# Altium PCB Archimajor.PcbDoc (part 9 of 13)
Units mil, origin at the board's own origin, x right, y up, seen from the top; angles counter-clockwise.
Board outline 7480.32 x 5511.81 mil, 6 copper layers (Top Layer, Top GND, Power Plane, Mid1, Bot GND, Bottom Layer), stack 69.913 mil thick; 1038 components, 682 nets, 3229 pads, 2870 vias.
Unrouted connection lines stored in the file: 97.
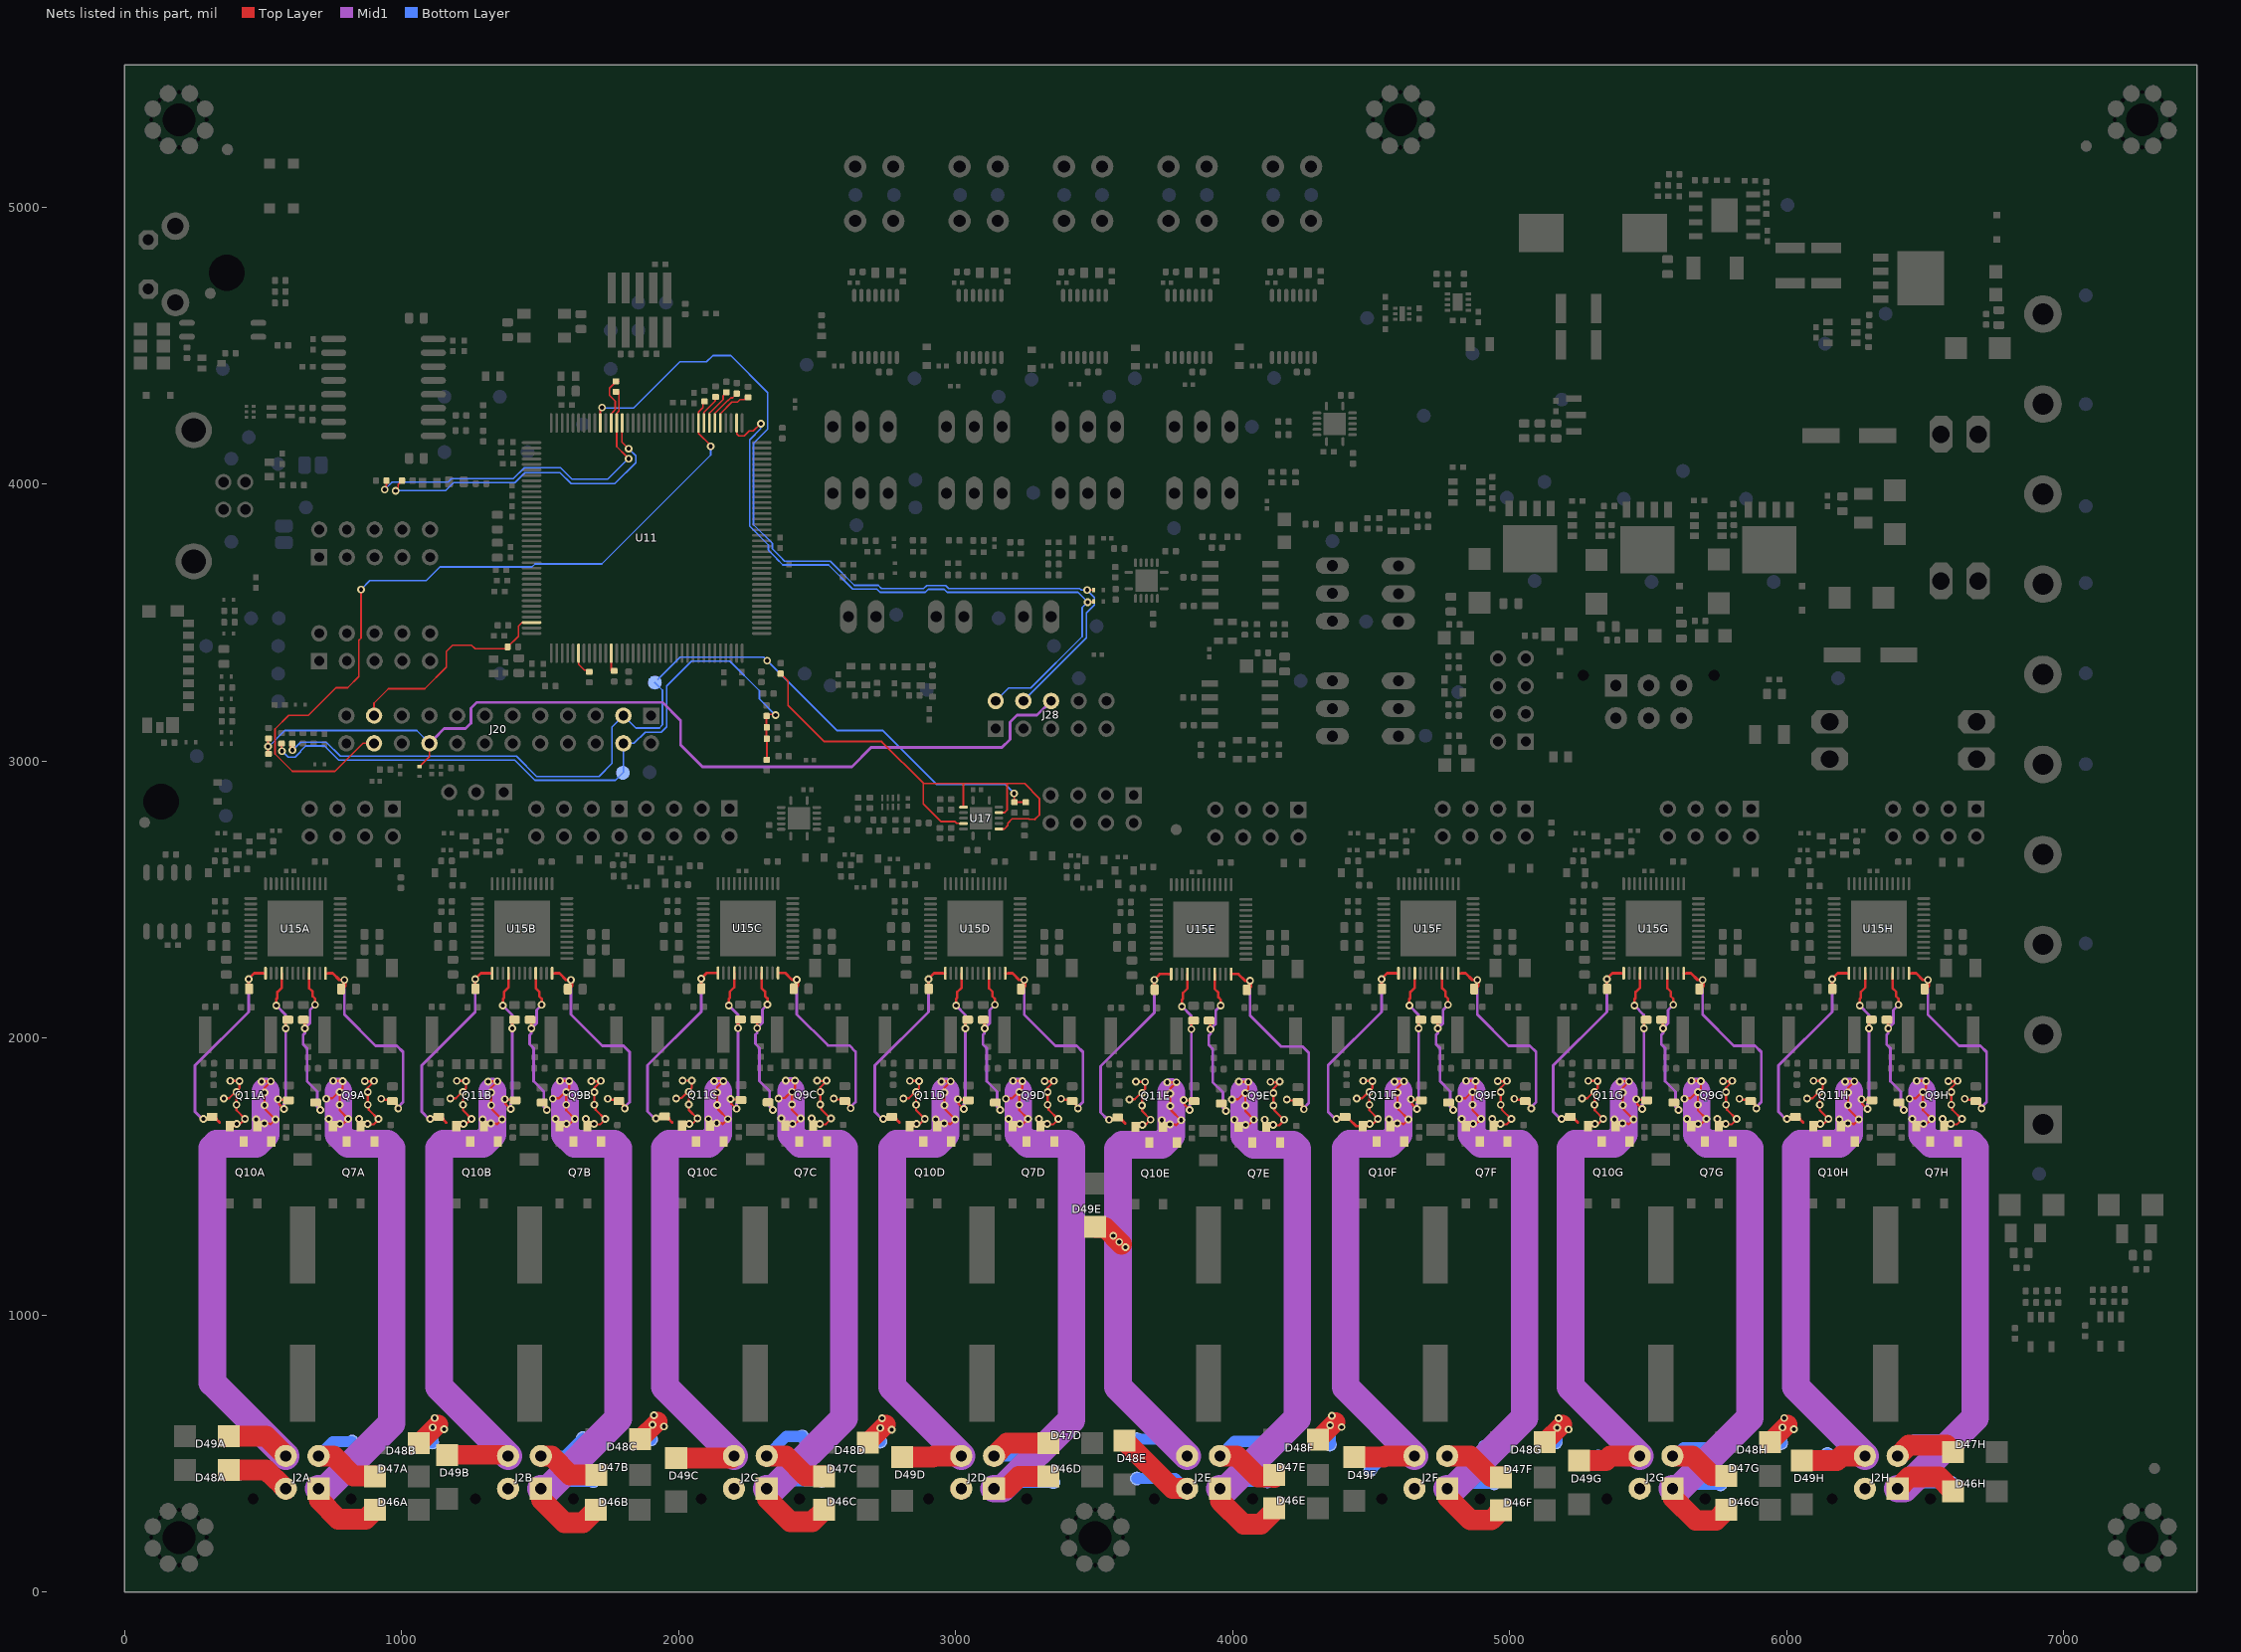
[diagram p13: the nets of this part, all layers, seen from the top]

## Via types
v1: diameter 28, hole 15, Top Layer to Bottom Layer, tented both sides, 2412 vias
v2: diameter 22, hole 10, Top Layer to Bottom Layer, 302 vias
v3: diameter 28, hole 15, Top Layer to Bottom Layer, 113 vias
v4: diameter 29, hole 15, Top Layer to Bottom Layer, tented both sides, 16 vias
v5: diameter 30, hole 15, Top Layer to Bottom Layer, 16 vias
v6: diameter 22, hole 10, Top Layer to Bottom Layer, tented both sides, 11 vias

## Nets (pads, with @x,y where several pads share a name; then routed paths per layer and width w, separated by ;. In a path a pad name is that pad's centre, name@x,y a point inside that pad or via, vN(x,y) a via of type N, cw(c..) or ccw(c..) an arc to the next point about the centre after c; other vN are vias at no path point) (continued)
NRST: D71.C J20.18 J28.6 R145.2 R149.1 | length 3397.5
  Top Layer w6: R149.1@522,3026.43 518.19,3030.24 v1(518.19,3052.21) 520.69,3052.21 518.19,3054.71 518.19,3077.72 R145.2@522,3081.53 ; D71.C@1062.99,2979.72 D71.C@1064.96,2979.72 1066.93,2979.72 1069.83,2982.63 1069.83,2984.6 1101,3015.76 J20.18@1101,3063.53
  Mid1 w10: J20.18@1102.18,3079.55 1117.03,3079.55 1154.01,3116.53 1231.44,3116.53 1251,3136.09 1251,3190.62 1271.82,3211.43 1942.2,3211.43 2007.59,3146.04 2007.59,3057.46 2086.33,2978.72 2625.37,2978.72 2695.25,3048.6 3167.04,3048.6 3196.57,3078.13 3196.57,3140.13 3222.16,3165.72 3294.1,3165.72 J28.6@3344.76,3216.39
  Bottom Layer w6: v1@522,3052.53 579,3109.53 1055,3109.53 J20.18@1101,3063.53
OAAA: C99A.2 C123A.2 D49A.K J2A.4 Q10A.1 Q11A.7 TP41A.1 U15A.40 | length 2958.3
  Top Layer w8: v1(474.95,1706.22) 493.34,1687.84 504.16,1687.84 504.92,1688.59 v1(504.92,1691.34) ; Q11A.7@480.02,1682.1 489.25,1691.34 v1(504.92,1691.34) ; v1(495.12,1842.85) 495.3,1843.03 v1(528.58,1843.03) 505.94,1820.39 v1(505.94,1802.5) v1(505.94,1757.22) 509.77,1753.39 509.77,1741.28 v1(544.83,1706.22) 526.13,1687.52 522.32,1691.34 v1(504.92,1691.34) ; v1(554.52,1778.87) v1@556.58,1776.82 ; v1(576,1743.53) 557.61,1761.91 557.61,1775.78 v1@556.58,1776.82 ; C123A.2@592,1774.76 589.94,1776.82 v1@556.58,1776.82
  Top Layer w9: v1@549.86,2118.08 v1(548.31,2116.53) 548.31,2140.84 552,2144.53 552,2165.7 568.2,2181.91 U15A.40@568.2,2233.68
  Top Layer w10: v1(582,2034.53) 582,2057.71 C99A.2@590.05,2065.76
  Top Layer w75: D49A.K@375.92,562.37 510.9,562.37 J2A.4@582.33,490.94
  Mid1 w10: v1@542.53,2122.31 v1(548.31,2116.53) 582,2082.84 v1(582,2034.53) 582,1768.53 576,1762.53 v1(576,1743.53)
  Mid1 w100: v1@509.88,1807.48 509.88,1651.97 475.43,1617.52 332.72,1617.52 317.95,1602.76 317.95,755.31 J2A.4@582.33,490.94
  Bottom Layer w40: TP41A.1@457.86,617.76 582.33,493.29 J2A.4@582.33,490.94
OAAB: C99B.2 C123B.2 D49B.K J2B.4 Q10B.1 Q11B.7 TP41B.1 U15B.40 | length 2872.1
  Top Layer w8: v1(1292.87,1706.22) 1311.25,1687.84 1322.08,1687.84 1322.83,1688.59 v1(1322.83,1691.34) ; Q11B.7@1297.93,1682.1 1307.17,1691.34 v1(1322.83,1691.34) ; v1(1313.03,1842.85) 1313.21,1843.03 v1(1346.5,1843.03) 1323.86,1820.39 v1(1323.86,1802.5) v1(1323.86,1757.22) 1327.68,1753.39 1327.68,1741.28 v1(1362.75,1706.22) 1344.05,1687.52 1340.23,1691.34 v1(1322.83,1691.34) ; v1(1372.44,1778.87) v1@1374.5,1776.82 ; v1(1393.91,1743.53) 1375.53,1761.91 1375.53,1775.78 v1@1374.5,1776.82 ; C123B.2@1409.91,1774.76 1407.85,1776.82 v1@1374.5,1776.82
  Top Layer w9: v1@1367.78,2118.08 v1(1366.22,2116.53) 1366.22,2140.84 1369.91,2144.53 1369.91,2165.7 1386.12,2181.91 U15B.40@1386.12,2233.68
  Top Layer w10: v1(1399.91,2034.53) 1399.91,2057.71 C99B.2@1407.97,2065.76
  Top Layer w70: D49B.K@1165.32,494.48 1378.61,494.48 1382.15,490.94 J2B.4@1384.86,490.94
  Mid1 w10: v1@1360.44,2122.31 v1(1366.22,2116.53) 1399.91,2082.84 v1(1399.91,2034.53) 1399.91,1768.53 1393.91,1762.53 v1(1393.91,1743.53)
  Mid1 w100: v1@1327.8,1807.48 1327.8,1651.97 1293.35,1617.52 1150.63,1617.52 1135.87,1602.76 1135.87,739.93 J2B.4@1384.86,490.94
  Bottom Layer w40: TP41B.1@1271.4,490.62 1384.54,490.62 J2B.4@1384.86,490.94
OAAC: C99C.2 C123C.2 D49C.K J2C.4 Q10C.1 Q11C.7 TP41C.1 U15C.40 | length 2895.9
  Top Layer w8: v1(2108.14,1707.18) 2126.52,1688.8 2137.35,1688.8 2138.11,1689.55 v1(2138.11,1692.3) ; Q11C.7@2113.2,1683.06 2122.44,1692.3 v1(2138.11,1692.3) ; v1(2128.3,1843.81) 2128.48,1843.99 v1(2161.77,1843.99) 2139.13,1821.35 v1(2139.13,1803.46) v1(2139.13,1758.18) 2142.96,1754.35 2142.96,1742.24 v1(2178.02,1707.18) 2159.32,1688.48 2155.5,1692.3 v1(2138.11,1692.3) ; v1(2187.71,1779.83) v1@2189.77,1777.77 ; v1(2209.18,1744.49) 2190.8,1762.87 2190.8,1776.74 v1@2189.77,1777.77 ; C123C.2@2225.18,1775.72 2223.12,1777.77 v1@2189.77,1777.77
  Top Layer w9: v1@2183.05,2119.04 v1(2181.49,2117.49) 2181.49,2141.8 2185.18,2145.49 2185.18,2166.66 2201.39,2182.87 U15C.40@2201.39,2234.64
  Top Layer w10: v1(2215.18,2035.49) 2215.18,2058.67 C99C.2@2223.24,2066.72
  Top Layer w75: D49C.K@1991.34,484.09 2191.93,484.09 2198.78,490.94 J2C.4@2200.13,490.94
  Mid1 w10: v1@2175.71,2123.27 v1(2181.49,2117.49) 2215.18,2083.8 v1(2215.18,2035.49) 2215.18,1769.49 2209.18,1763.49 v1(2209.18,1744.49)
  Mid1 w100: v1@2143.07,1808.44 2143.07,1652.93 2108.62,1618.48 1965.9,1618.48 1951.14,1603.72 1951.14,739.93 J2C.4@2200.13,490.94
  Bottom Layer w40: TP41C.1@2056.08,486.72 2195.91,486.72 J2C.4@2200.13,490.94
OAAD: C99D.2 C123D.2 D49D.K J2D.4 Q10D.1 Q11D.7 TP41D.1 U15D.40 | length 2870.2
  Top Layer w8: v1(2928.69,1706.22) 2947.08,1687.84 2957.9,1687.84 2958.66,1688.59 v1(2958.66,1691.34) ; Q11D.7@2933.76,1682.1 2942.99,1691.34 v1(2958.66,1691.34) ; v1(2948.86,1842.85) 2949.04,1843.03 v1(2982.32,1843.03) 2959.68,1820.39 v1(2959.68,1802.5) v1(2959.68,1757.22) 2963.51,1753.39 2963.51,1741.28 v1(2998.57,1706.22) 2979.87,1687.52 2976.06,1691.34 v1(2958.66,1691.34) ; v1(3008.26,1778.87) v1@3010.32,1776.82 ; v1(3029.74,1743.53) 3011.36,1761.91 3011.36,1775.78 v1@3010.32,1776.82 ; C123D.2@3045.74,1774.76 3043.68,1776.82 v1@3010.32,1776.82
  Top Layer w9: v1@3003.6,2118.08 v1(3002.05,2116.53) 3002.05,2140.84 3005.74,2144.53 3005.74,2165.7 3021.94,2181.91 U15D.40@3021.94,2233.68
  Top Layer w10: v1(3035.74,2034.53) 3035.74,2057.71 C99D.2@3043.8,2065.76
  Top Layer w75: D49D.K@2808,487.21 2918.15,487.21 2921.88,490.94 J2D.4@3020.68,490.94
  Mid1 w10: v1@2996.27,2122.31 v1(3002.05,2116.53) 3035.74,2082.84 v1(3035.74,2034.53) 3035.74,1768.53 3029.74,1762.53 v1(3029.74,1743.53)
  Mid1 w100: v1@2963.62,1807.48 2963.62,1651.97 2929.17,1617.52 2786.46,1617.52 2771.69,1602.76 2771.69,739.93 J2D.4@3020.68,490.94
  Bottom Layer w40: TP41D.1@2902.38,491.4 3020.22,491.4 J2D.4@3020.68,490.94
OAAE: C99E.2 C123E.2 D49E.K J2E.4 Q10E.1 Q11E.7 TP41E.1 U15E.40 | length 2861.2
  Top Layer w8: v1(3743.96,1703.24) 3762.35,1684.86 3773.18,1684.86 3773.93,1685.62 v1(3773.93,1688.36) ; Q11E.7@3749.03,1679.13 3758.26,1688.36 v1(3773.93,1688.36) ; v1(3764.13,1839.87) 3764.31,1840.06 v1(3797.59,1840.06) 3774.96,1817.42 v1(3774.96,1799.52) v1(3774.96,1754.24) 3778.78,1750.42 3778.78,1738.31 v1(3813.85,1703.24) 3795.14,1684.54 3791.33,1688.36 v1(3773.93,1688.36) ; v1(3823.53,1775.9) v1@3825.59,1773.84 ; v1(3845.01,1740.55) 3826.63,1758.94 3826.63,1772.81 v1@3825.59,1773.84 ; C123E.2@3861.01,1771.78 3858.95,1773.84 v1@3825.59,1773.84
  Top Layer w9: v1@3818.87,2115.1 v1(3817.32,2113.55) 3817.32,2137.86 3821.01,2141.55 3821.01,2162.73 3837.22,2178.93 U15E.40@3837.22,2230.7
  Top Layer w10: v1(3851.01,2031.55) 3851.01,2054.73 C99E.2@3859.07,2062.79
  Top Layer w75: D49E.K@3504.54,1317.46 3506.54,1315.46 3539.26,1315.46 v1@3598.92,1255.8
  Mid1 w10: v1@3811.54,2119.33 v1(3817.32,2113.55) 3851.01,2079.86 v1(3851.01,2031.55) 3851.01,1765.55 3845.01,1759.55 v1(3845.01,1740.55)
  Mid1 w100: v1@3778.89,1804.5 3778.89,1648.99 3744.44,1614.54 3601.73,1614.54 3586.96,1599.78 3586.96,739.93 J2E.4@3835.96,490.94
  Bottom Layer w40: TP41E.1@3654.3,551.46 3775.43,551.46 J2E.4@3835.96,490.94
  other v1: 3612.96,1244.88 3591.12,1263.6 3569.09,1285.63
OAAF: C99F.2 C123F.2 D49F.K J2F.4 Q10F.1 Q11F.7 TP41F.1 U15F.40 | length 2937.6
  Top Layer w8: v1(4564.52,1706.22) 4582.9,1687.84 4593.73,1687.84 4594.49,1688.59 v1(4594.49,1691.34) ; Q11F.7@4569.58,1682.1 4578.82,1691.34 v1(4594.49,1691.34) ; v1(4584.68,1842.85) 4584.87,1843.03 v1(4618.15,1843.03) 4595.51,1820.39 v1(4595.51,1802.5) v1(4595.51,1757.22) 4599.34,1753.39 4599.34,1741.28 v1(4634.4,1706.22) 4615.7,1687.52 4611.88,1691.34 v1(4594.49,1691.34) ; v1(4644.09,1778.87) v1@4646.15,1776.82 ; v1(4665.57,1743.53) 4647.18,1761.91 4647.18,1775.78 v1@4646.15,1776.82 ; C123F.2@4681.57,1774.76 4679.51,1776.82 v1@4646.15,1776.82
  Top Layer w9: v1@4639.43,2118.08 v1(4637.88,2116.53) 4637.88,2140.84 4641.57,2144.53 4641.57,2165.7 4657.77,2181.91 U15F.40@4657.77,2233.68
  Top Layer w10: v1(4671.57,2034.53) 4671.57,2057.71 C99F.2@4679.62,2065.76
  Top Layer w75: D49F.K@4439.76,486.67 4545.79,486.67 4550.06,490.94 J2F.4@4656.51,490.94
  Mid1 w10: v1@4632.09,2122.31 v1(4637.88,2116.53) 4671.57,2082.84 v1(4671.57,2034.53) 4671.57,1768.53 4665.57,1762.53 v1(4665.57,1743.53)
  Mid1 w100: v1@4599.45,1807.48 4599.45,1651.97 4565,1617.52 4422.28,1617.52 4407.52,1602.76 4407.52,739.93 J2F.4@4656.51,490.94
  Bottom Layer w40: TP41F.1@4496.7,438.36 4549.28,490.94 J2F.4@4656.51,490.94
OAAG: C99G.2 C123G.2 D49G.K J2G.4 Q10G.1 Q11G.7 TP41G.1 U15G.40 | length 2914.5
  Top Layer w8: v1(5377.52,1706.22) 5395.9,1687.84 5406.73,1687.84 5407.49,1688.59 v1(5407.49,1691.34) ; Q11G.7@5382.58,1682.1 5391.82,1691.34 v1(5407.49,1691.34) ; v1(5397.68,1842.85) 5397.87,1843.03 v1(5431.15,1843.03) 5408.51,1820.39 v1(5408.51,1802.5) v1(5408.51,1757.22) 5412.34,1753.39 5412.34,1741.28 v1(5447.4,1706.22) 5428.7,1687.52 5424.88,1691.34 v1(5407.49,1691.34) ; v1(5457.09,1778.87) v1@5459.15,1776.82 ; v1(5478.57,1743.53) 5460.18,1761.91 5460.18,1775.78 v1@5459.15,1776.82 ; C123G.2@5494.57,1774.76 5492.51,1776.82 v1@5459.15,1776.82
  Top Layer w9: v1@5452.43,2118.08 v1(5450.88,2116.53) 5450.88,2140.84 5454.57,2144.53 5454.57,2165.7 5470.77,2181.91 U15G.40@5470.77,2233.68
  Top Layer w10: v1(5484.57,2034.53) 5484.57,2057.71 C99G.2@5492.62,2065.76
  Top Layer w75: D49G.K@5250.18,474.2 5346.86,474.2 5363.6,490.94 J2G.4@5469.51,490.94
  Mid1 w10: v1@5445.09,2122.31 v1(5450.88,2116.53) 5484.57,2082.84 v1(5484.57,2034.53) 5484.57,1768.53 5478.57,1762.53 v1(5478.57,1743.53)
  Mid1 w100: v1@5412.45,1807.48 5412.45,1651.97 5378,1617.52 5235.28,1617.52 5220.52,1602.76 5220.52,739.93 J2G.4@5469.51,490.94
  Bottom Layer w40: TP41G.1@5319.6,489.06 5467.63,489.06 J2G.4@5469.51,490.94
OAAH: C99H.2 C123H.2 D49H.K J2H.4 Q10H.1 Q11H.7 TP41H.1 U15H.40 | length 2910.7
  Top Layer w8: v1(6190.52,1706.22) 6208.9,1687.84 6219.73,1687.84 6220.49,1688.59 v1(6220.49,1691.34) ; Q11H.7@6195.58,1682.1 6204.82,1691.34 v1(6220.49,1691.34) ; v1(6210.68,1842.85) 6210.87,1843.03 v1(6244.15,1843.03) 6221.51,1820.39 v1(6221.51,1802.5) v1(6221.51,1757.22) 6225.34,1753.39 6225.34,1741.28 v1(6260.4,1706.22) 6241.7,1687.52 6237.88,1691.34 v1(6220.49,1691.34) ; v1(6270.09,1778.87) v1@6272.15,1776.82 ; v1(6291.57,1743.53) 6273.18,1761.91 6273.18,1775.78 v1@6272.15,1776.82 ; C123H.2@6307.57,1774.76 6305.51,1776.82 v1@6272.15,1776.82
  Top Layer w9: v1@6265.43,2118.08 v1(6263.88,2116.53) 6263.88,2140.84 6267.57,2144.53 6267.57,2165.7 6283.77,2181.91 U15H.40@6283.77,2233.68
  Top Layer w10: v1(6297.57,2034.53) 6297.57,2057.71 C99H.2@6305.62,2065.76
  Top Layer w75: D49H.K@6054.36,474.98 6181.46,474.98 6197.42,490.94 J2H.4@6282.51,490.94
  Mid1 w10: v1@6258.09,2122.31 v1(6263.88,2116.53) 6297.57,2082.84 v1(6297.57,2034.53) 6297.57,1768.53 6291.57,1762.53 v1(6291.57,1743.53)
  Mid1 w100: v1@6225.45,1807.48 6225.45,1651.97 6191,1617.52 6048.28,1617.52 6033.52,1602.76 6033.52,739.93 J2H.4@6282.51,490.94
  Bottom Layer w40: TP41H.1@6147.18,498.42 6149.89,498.42 6157.37,490.94 J2H.4@6282.51,490.94
OABA: C97A.2 C98A.2 D48A.K J2A.3 Q10A.3 Q11A.5 TP34A.1 U15A.37 | length 1525
  Top Layer w8: v1(358.27,1780.91) 359.39,1782.03 377.91,1782.03 v1@404.09,1808.21 ; Q11A.5@380.02,1682.1 409.11,1682.1 v1(435.08,1708.07) 404.09,1739.06 v1(404.09,1759.07) v1(404.09,1804.35) v1@404.09,1808.21 ; v1(381.45,1844.88) 381.54,1844.79 414.82,1844.79 v1(414.91,1844.7) 414.91,1819.03 v1@404.09,1808.21
  Top Layer w9: 500,2233.53 U15A.37@509.15,2233.68
  Top Layer w10: v1(285.45,1708.13) 329.89,1708.13 343.47,1694.55 ; C97A.2@316.43,1715.51 C97A.2@319.47,1718.55 ; C98A.2@449.5,2177.18 448.32,2178.36 v1(448.32,2212.61) 448.32,2213.6 468.4,2233.68 500,2233.53
  Top Layer w14: C97A.2@319.47,1718.55 C97A.2@329.89,1708.13
  Top Layer w75: D48A.K@375.92,440.69 511.66,440.69 546.91,405.44 548.37,405.44 580.98,372.83 J2A.3@582.33,372.83
  Mid1 w10: v1(285.45,1708.13) 280.45,1708.13 255,1733.58 255,1900.53 448.32,2093.85 v1(448.32,2212.61)
  Bottom Layer w40: TP34A.1@413.4,426.66 528.5,426.66 J2A.3@582.33,372.83
  other v1: 405.55,1689.37
OABB: C97B.2 C98B.2 D48B.K J2B.3 Q10B.3 Q11B.5 TP34B.1 U15B.37 | length 1246.1
  Top Layer w8: v1(1176.18,1780.91) 1177.31,1782.03 1195.83,1782.03 v1@1222,1808.21 ; Q11B.5@1197.93,1682.1 1227.02,1682.1 v1(1252.99,1708.07) 1222,1739.06 v1(1222,1759.07) v1(1222,1804.35) v1@1222,1808.21 ; v1(1199.36,1844.88) 1199.45,1844.79 1232.74,1844.79 v1(1232.83,1844.7) 1232.83,1819.03 v1@1222,1808.21
  Top Layer w9: 1317.91,2233.53 U15B.37@1327.06,2233.68
  Top Layer w10: v1(1103.36,1708.13) 1147.8,1708.13 1161.39,1694.55 ; C97B.2@1134.35,1715.51 C97B.2@1137.39,1718.55 ; C98B.2@1267.42,2177.18 1266.24,2178.36 v1(1266.24,2212.61) 1266.24,2213.6 1286.31,2233.68 1317.91,2233.53
  Top Layer w14: C97B.2@1137.39,1718.55 C97B.2@1147.8,1708.13
  Top Layer w70: D48B.K@1068.42,541.14 1132.56,605.28
  Top Layer w75: J2B.3@1383.5,372.83 J2B.3@1384.86,372.83
  Mid1 w10: v1(1103.36,1708.13) 1098.36,1708.13 1072.91,1733.58 1072.91,1900.53 1266.24,2093.85 v1(1266.24,2212.61)
  Bottom Layer w40: TP34B.1@1110.72,539.76 1112.63,541.67 1112.63,548.74 1113.06,549.17 v1(1113.06,593.58)
  other v1: 1154.4,587.34 1119.3,627.9 1223.46,1689.37
OABC: C97C.2 C98C.2 D48C.K J2C.3 Q10C.3 Q11C.5 TP34C.1 U15C.37 | length 1294.2
  Top Layer w8: D48C.K@1861.04,551.21 D48C.K@1875.78,536.47 ; D48C.K@1875.78,563.49 D48C.K@1875.78,536.47 ; D48C.K@1876.76,535.48 D48C.K@1875.78,536.47 ; v1(1991.45,1781.86) 1992.58,1782.99 2011.1,1782.99 v1@2037.27,1809.16 ; Q11C.5@2013.2,1683.06 2042.29,1683.06 v1(2068.26,1709.03) 2037.27,1740.02 v1(2037.27,1760.03) v1(2037.27,1805.31) v1@2037.27,1809.16 ; v1(2014.63,1845.84) 2014.72,1845.75 2048.01,1845.75 v1(2048.1,1845.66) 2048.1,1819.99 v1@2037.27,1809.16
  Top Layer w9: 2133.18,2234.49 U15C.37@2142.33,2234.64
  Top Layer w10: v1(1918.63,1709.09) 1963.07,1709.09 1976.66,1695.51 ; C97C.2@1949.62,1716.47 C97C.2@1952.66,1719.51 ; C98C.2@2082.69,2178.14 2081.51,2179.32 v1(2081.51,2213.57) 2081.51,2214.56 2101.59,2234.64 2133.18,2234.49
  Top Layer w14: C97C.2@1952.66,1719.51 C97C.2@1963.07,1709.09
  Top Layer w70: D48C.K@1861.04,551.21 1925.18,615.35
  Mid1 w10: v1(1918.63,1709.09) 1913.63,1709.09 1888.18,1734.54 1888.18,1901.49 2081.51,2094.81 v1(2081.51,2213.57)
  Bottom Layer w40: TP34C.1@1900.86,550.68 1900.86,598.83 v1(1905.68,603.65)
  other v1: 1947.02,597.41 1911.92,637.97 2038.74,1690.33
OABD: C97D.2 C98D.2 D48D.K J2D.3 Q10D.3 Q11D.5 TP34D.1 U15D.37 | length 1240.7
  Top Layer w8: v1(2812.01,1780.91) 2813.13,1782.03 2831.65,1782.03 v1@2857.83,1808.21 ; Q11D.5@2833.76,1682.1 2862.85,1682.1 v1(2888.82,1708.07) 2857.83,1739.06 v1(2857.83,1759.07) v1(2857.83,1804.35) v1@2857.83,1808.21 ; v1(2835.19,1844.88) 2835.28,1844.79 2868.56,1844.79 v1(2868.65,1844.7) 2868.65,1819.03 v1@2857.83,1808.21
  Top Layer w9: 2953.74,2233.53 U15D.37@2962.89,2233.68
  Top Layer w10: v1(2739.19,1708.13) 2783.63,1708.13 2797.21,1694.55 ; C97D.2@2770.17,1715.51 C97D.2@2773.21,1718.55 ; C98D.2@2903.24,2177.18 2902.06,2178.36 v1(2902.06,2212.61) 2902.06,2213.6 2922.14,2233.68 2953.74,2233.53
  Top Layer w14: C97D.2@2773.21,1718.55 C97D.2@2783.63,1708.13
  Top Layer w70: D48D.K@2683.94,539.76 2748.08,603.9
  Top Layer w75: J2D.3@3019.33,372.83 J2D.3@3020.68,372.83
  Mid1 w10: v1(2739.19,1708.13) 2734.19,1708.13 2708.74,1733.58 2708.74,1900.53 2902.06,2093.85 v1(2902.06,2212.61)
  Bottom Layer w40: TP34D.1@2728.58,542.88 v1(2728.58,592.2)
  other v1: 2769.92,585.96 2734.82,626.52 2859.29,1689.37
OABE: C97E.2 C98E.2 D48E.K J2E.3 Q10E.3 Q11E.5 TP34E.1 U15E.37 | length 1594.3
  Top Layer w8: v1(3627.28,1777.93) 3628.4,1779.05 3646.92,1779.05 v1@3673.1,1805.23 ; Q11E.5@3649.03,1679.13 3678.12,1679.13 v1(3704.09,1705.09) 3673.1,1736.09 v1(3673.1,1756.09) v1(3673.1,1801.37) v1@3673.1,1805.23 ; v1(3650.46,1841.9) 3650.55,1841.81 3683.83,1841.81 v1(3683.92,1841.72) 3683.92,1816.06 v1@3673.1,1805.23
  Top Layer w9: 3769.01,2230.55 U15E.37@3778.16,2230.7
  Top Layer w10: v1(3554.46,1705.16) 3598.9,1705.16 3612.48,1691.57 ; C97E.2@3585.44,1712.53 C97E.2@3588.48,1715.57 ; C98E.2@3718.51,2174.2 3717.33,2175.39 v1(3717.33,2209.64) 3717.33,2210.62 3737.41,2230.7 3769.01,2230.55
  Top Layer w14: C97E.2@3588.48,1715.57 C97E.2@3598.9,1705.16
  Top Layer w75: D48E.K@3609.84,546.74 3782.8,373.78 3833.65,373.78 3834.6,372.83 J2E.3@3835.96,372.83
  Mid1 w10: v1(3554.46,1705.16) 3549.46,1705.16 3524.01,1730.61 3524.01,1897.55 3717.33,2090.87 v1(3717.33,2209.64)
  Bottom Layer w40: TP34E.1@3654.3,409.5 3792.52,409.5 3829.2,372.83 J2E.3@3835.96,372.83
  other v1: 3674.56,1686.39
OABF: C97F.2 C98F.2 D48F.K J2F.3 Q10F.3 Q11F.5 TP34F.1 U15F.37 | length 1301.8
  Top Layer w8: v1(4447.83,1780.91) 4448.96,1782.03 4467.48,1782.03 v1@4493.65,1808.21 ; Q11F.5@4469.58,1682.1 4498.68,1682.1 v1(4524.65,1708.07) 4493.65,1739.06 v1(4493.65,1759.07) v1(4493.65,1804.35) v1@4493.65,1808.21 ; v1(4471.02,1844.88) 4471.11,1844.79 4504.39,1844.79 v1(4504.48,1844.7) 4504.48,1819.03 v1@4493.65,1808.21
  Top Layer w9: 4589.57,2233.53 U15F.37@4598.72,2233.68
  Top Layer w10: v1(4375.01,1708.13) 4419.46,1708.13 4445.49,1682.1 Q11F.5@4469.58,1682.1 ; C97F.2@4406,1715.51 C97F.2@4409.04,1718.55 ; C98F.2@4539.07,2177.18 4537.89,2178.36 v1(4537.89,2212.61) 4537.89,2213.6 4557.97,2233.68 4589.57,2233.53
  Top Layer w14: C97F.2@4409.04,1718.55 C97F.2@4419.46,1708.13
  Top Layer w70: D48F.K@4307.38,549.11 4371.52,613.25
  Mid1 w10: v1(4375.01,1708.13) 4370.02,1708.13 4344.57,1733.58 4344.57,1900.53 4537.89,2093.85 v1(4537.89,2212.61)
  Bottom Layer w40: TP34F.1@4350.84,531.96 4352.02,533.14 v1(4352.02,601.55)
  other v1: 4393.36,595.31 4358.26,635.87 4495.12,1689.37
OABG: C97G.2 C98G.2 D48G.K J2G.3 Q10G.3 Q11G.5 TP34G.1 U15G.37 | length 1245.3
  Top Layer w8: v1(5260.83,1780.91) 5261.96,1782.03 5280.48,1782.03 v1@5306.65,1808.21 ; Q11G.5@5282.58,1682.1 5311.68,1682.1 v1(5337.65,1708.07) 5306.65,1739.06 v1(5306.65,1759.07) v1(5306.65,1804.35) v1@5306.65,1808.21 ; v1(5284.02,1844.88) 5284.11,1844.79 5317.39,1844.79 v1(5317.48,1844.7) 5317.48,1819.03 v1@5306.65,1808.21
  Top Layer w9: 5402.57,2233.53 U15G.37@5411.72,2233.68
  Top Layer w10: v1(5188.01,1708.13) 5232.46,1708.13 5246.04,1694.55 ; C97G.2@5219,1715.51 C97G.2@5222.04,1718.55 ; C98G.2@5352.07,2177.18 5350.89,2178.36 v1(5350.89,2212.61) 5350.89,2213.6 5370.97,2233.68 5402.57,2233.53
  Top Layer w14: C97G.2@5222.04,1718.55 C97G.2@5232.46,1708.13
  Top Layer w70: D48G.K@5126.38,540.53 5190.52,604.67
  Mid1 w10: v1(5188.01,1708.13) 5183.02,1708.13 5157.57,1733.58 5157.57,1900.53 5350.89,2093.85 v1(5350.89,2212.61)
  Bottom Layer w40: TP34G.1@5165.94,539.76 5165.94,542.47 5171.02,547.55 v1(5171.02,592.97)
  other v1: 5212.36,586.73 5177.26,627.29 5308.12,1689.37
OABH: C97H.2 C98H.2 D48H.K J2H.3 Q10H.3 Q11H.5 TP34H.1 U15H.37 | length 1248.1
  Top Layer w8: v1(6073.83,1780.91) 6074.96,1782.03 6093.48,1782.03 v1@6119.65,1808.21 ; Q11H.5@6095.58,1682.1 6124.68,1682.1 v1(6150.65,1708.07) 6119.65,1739.06 v1(6119.65,1759.07) v1(6119.65,1804.35) v1@6119.65,1808.21 ; v1(6097.02,1844.88) 6097.11,1844.79 6130.39,1844.79 v1(6130.48,1844.7) 6130.48,1819.03 v1@6119.65,1808.21
  Top Layer w9: 6215.57,2233.53 U15H.37@6224.72,2233.68
  Top Layer w10: v1(6001.01,1708.13) 6045.46,1708.13 6059.04,1694.55 ; C97H.2@6032,1715.51 C97H.2@6035.04,1718.55 ; C98H.2@6165.07,2177.18 6163.89,2178.36 v1(6163.89,2212.61) 6163.89,2213.6 6183.97,2233.68 6215.57,2233.53
  Top Layer w14: C97H.2@6035.04,1718.55 C97H.2@6045.46,1708.13
  Top Layer w70: D48H.K@5939.92,541.31 6004.06,605.45
  Mid1 w10: v1(6001.01,1708.13) 5996.02,1708.13 5970.57,1733.58 5970.57,1900.53 6163.89,2093.85 v1(6163.89,2212.61)